# Altium PCB S3220B.PcbDoc (part 2 of 3) (continued)
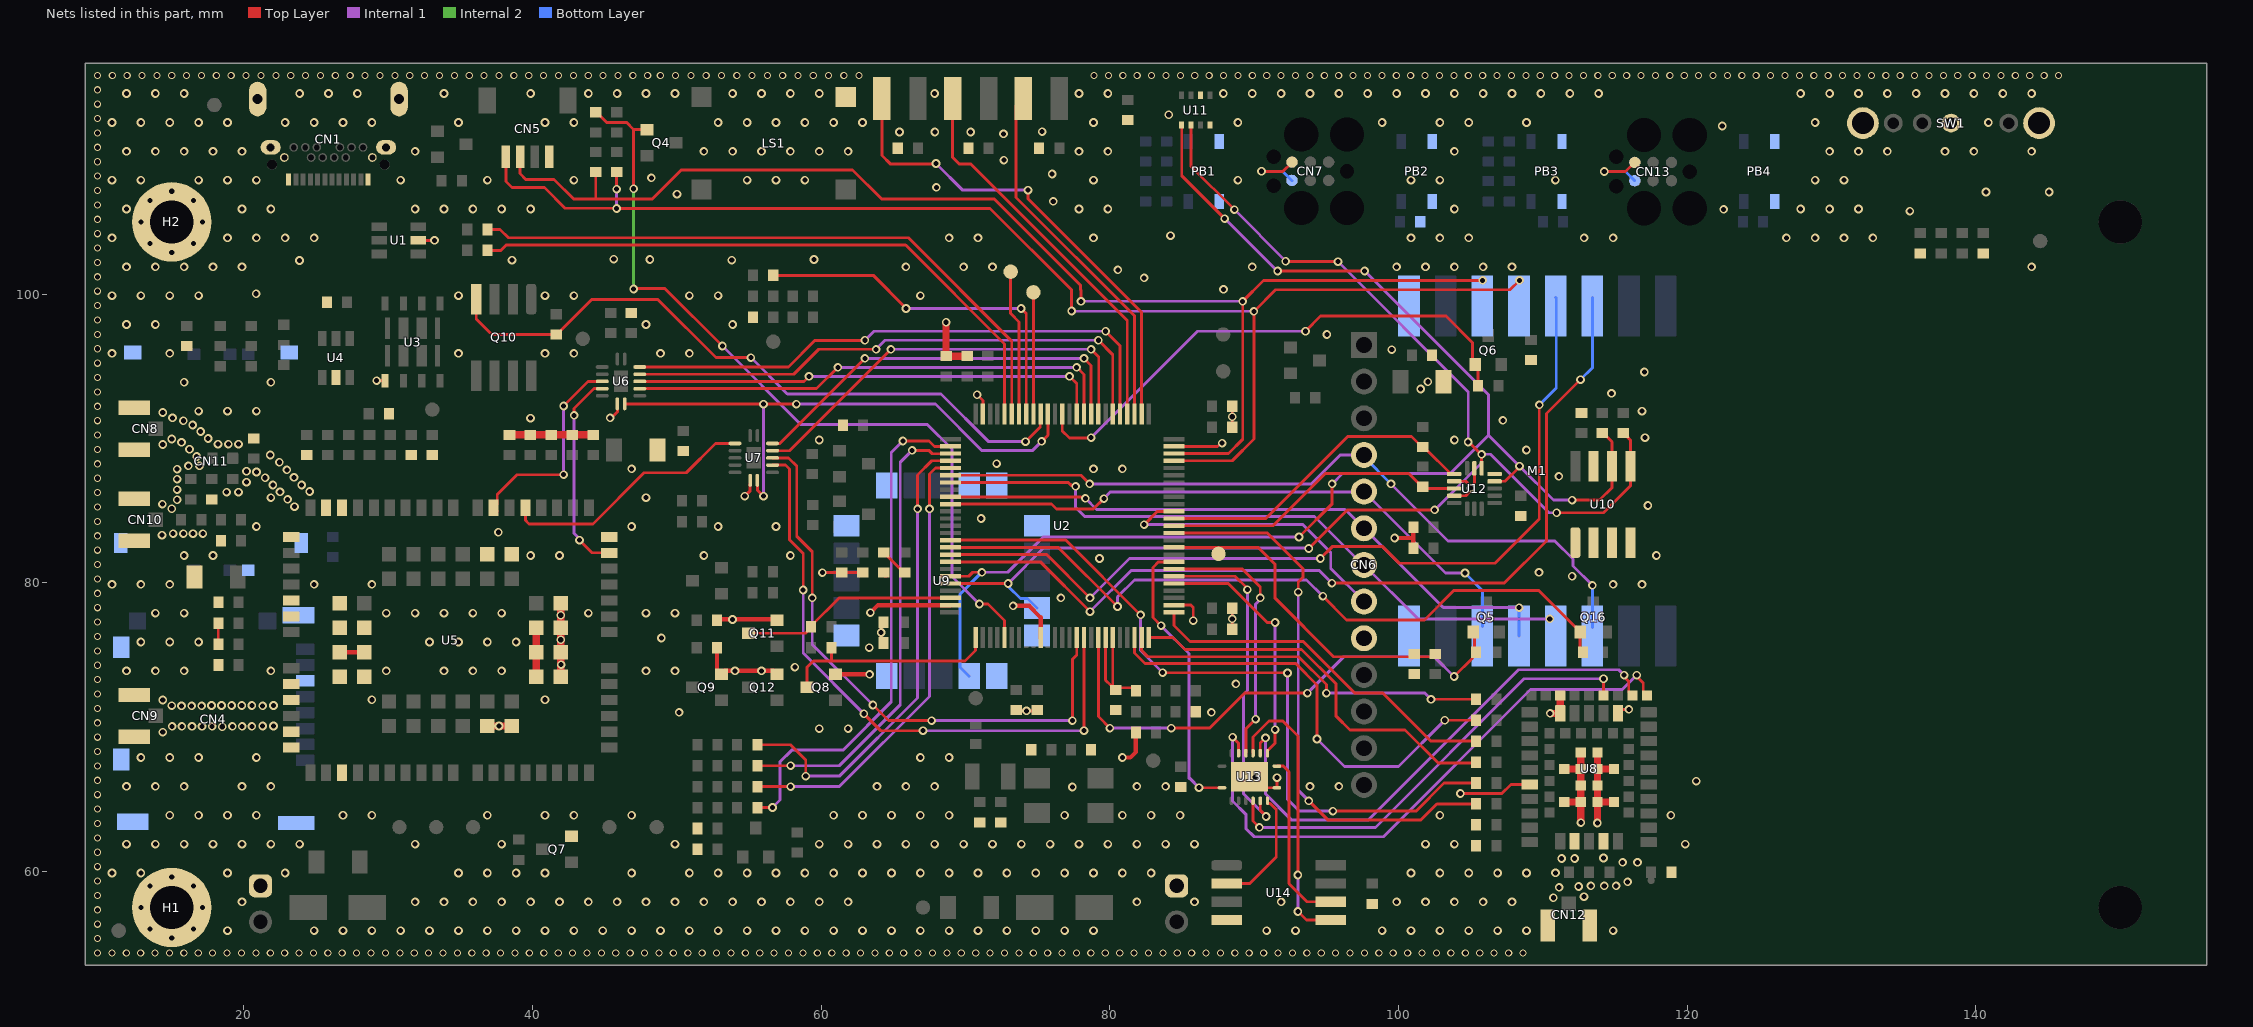
[diagram p4: the nets of this part, all layers, seen from the top]
## Nets (pads, with @x,y where several pads share a name; then routed paths per layer and width w, separated by ;. In a path a pad name is that pad's centre, name@x,y a point inside that pad or via, vN(x,y) a via of type N, cw(c..) or ccw(c..) an arc to the next point about the centre after c; other vN are vias at no path point) (continued)
  Top Layer w0.2: U7.10@56.627,88.149 57.526,88.149 57.8,87.875 57.8,82.975 58.75,82.025 v1(58.75,79.5) ; v1(62.95,70.925) 64.125,69.75 v1(67.05,69.75) ; v1(78.2,69.75) 78.2,71.025 U2.16@78.2,76.212
  Internal 1 w0.2: v1(58.75,79.5) 58.75,75.125 v1(62.95,70.925) ; v1(67.05,69.75) v1(78.2,69.75)
CPU_TXD_MODEM: U2.55 U6.13 | length 39.5
  Top Layer w0.2: U6.13@47.425,94.95 57.725,94.95 59.552,96.777 63.002,96.777 v1(63.025,96.8) ; v1(79.7,97.425) 80.7,96.425 U2.55@80.7,91.688
  Internal 1 w0.2: v1(63.025,96.8) 63.65,97.425 v1(79.7,97.425)
CPU_USB_DM: R30.2 U2.70 | length 44.6
  Top Layer w0.2: R30.2@36.875,104.475 37.75,104.475 38.325,103.9 66.037,103.9 73.2,96.737 U2.70@73.2,91.688
CPU_USB_DP: R31.2 U2.71 | length 43.7
  Top Layer w0.2: R31.2@36.875,103.025 37.8,103.025 38.175,103.4 65.85,103.4 72.7,96.55 U2.71@72.7,91.688
CPU_USB_ID: TP5.1 U2.69 | length 10.1
  Top Layer w0.2: TP5.1@73.125,101.55 73.125,98.65 73.7,98.075 U2.69@73.7,91.688
CPU_USB_SOF: TP4.1 U2.67 | length 8.4
  Top Layer w0.2: U2.67@74.7,91.688 TP4.1@74.7,100.1
CPU_USB_VBUS: R29.2 U2.68 | length 25.6
  Top Layer w0.2: R29.2@56.675,101.3 63.6,101.3 65.875,99.025 v1(65.875,99) ; v1(73.85,99) 74.2,98.65 U2.68@74.2,91.688
  Internal 1 w0.2: v1(65.875,99) v1(73.85,99)
CTS_BG95: U5.36 U7.2 | length 17.8
  Top Layer w0.2: U5.36@39.5,85.2 39.5,84.325 39.75,84.075 44.175,84.075 47.725,87.625 50.65,87.625 52.675,89.65 U7.2@54.025,89.65
DCD_BG95: U5.38 U6.4 | length 14.7
  Top Layer w0.2: U5.38@37.55,84.95 U5.38@37.3,85.2 37.55,85.45 37.55,86.125 38.911,87.486 v1(42.15,87.486) ; v1(42.15,92.25) 43.849,93.949 U6.4@44.827,93.949
  Internal 1 w0.2: v1(42.15,87.486) v1(42.15,92.25)
DTR_BG95: U5.30 U6.5 | length 14.4
  Top Layer w0.2: v1(42.875,91.6) 42.875,92.075 44.249,93.449 U6.5@44.827,93.449 ; v1@43.119,83.081 44.125,82.075 U5.30@45.325,82.075
  Internal 1 w0.2: v1(42.875,91.6) 42.875,83.424 43.25,83.049 v1(43.25,82.95)
FLASH_MISO: U13.7 U14.2 | length 8.4
  Top Layer w0.2: U14.2@88.092,59.15 89.675,59.15 91.525,61 91.525,64.286 91.104,64.707 90.935,64.707 90.917,64.725 U13.7@90.917,64.894
FLASH_MISO_BLE: U8.50 U13.5 | length 31.3
  Top Layer w0.2: U13.5@89.917,64.894 89.917,63.483 v1(90.35,63.05) ; U8.50@114.2,72.175 v1(114.2,73.35)
  Internal 1 w0.2: v1(90.35,63.05) 98.4,63.05 108.7,73.35 v1(114.2,73.35)
FLASH_MISO_CPU: U2.31 U13.6 | length 23.3
  Top Layer w0.2: U2.31@84.438,80.45 88.675,80.45 89.525,79.6 v1(89.525,79.525) ; U13.6@90.417,64.894 90.417,64.241 90.825,63.833 v1(90.825,63.8)
  Internal 1 w0.2: v1(89.525,79.525) 89.525,72.533 89.25,72.258 89.25,65.375 v1(90.825,63.8)
FLASH_MOSI: U13.12 U14.5 | length 19.8
  Top Layer w0.2: U13.12@89.917,68.194 89.917,69.317 91.025,70.425 91.975,70.425 93.025,69.375 v1(93.025,59.75) ; v1(93.025,57.225) 93.625,56.625 U14.5@95.292,56.625
  Internal 1 w0.2: v1(93.025,57.225) v1(93.025,59.75)
FLASH_MOSI_BLE: U8.47 U13.14 | length 41.7
  Top Layer w0.2: v1(88.5,69.3) 88.917,68.883 U13.14@88.917,68.194 ; v1(116.5,73.6) 116.5,73.51 116.95,73.06 116.95,72.425 U8.47@117.2,72.175
  Internal 1 w0.2: v1(88.5,69.3) 88.5,64.875 89.417,63.958 89.417,62.983 90,62.4 98.95,62.4 109.15,72.6 115.5,72.6 v1(116.5,73.6)
FLASH_MOSI_CPU: U2.32 U13.13 | length 18.4
  Top Layer w0.2: U2.32@84.438,80.95 89.175,80.95 90.417,79.708 v1(90.417,78.95) ; U13.13@89.417,68.194 89.417,69.867 v1(90.1,70.55)
  Internal 1 w0.2: v1(90.1,70.55) 90.1,78.525 90.417,78.842 v1(90.417,78.95)
FLASH_SCK: U13.9 U14.6 | length 12.2
  Top Layer w0.2: U13.9@91.567,67.294 92.006,67.294 92.4,66.9 92.4,59.15 93.65,57.9 U14.6@95.292,57.9
FLASH_SCK_BLE: U8.48 U13.11 | length 36.8
  Top Layer w0.2: U13.11@90.417,68.194 90.417,68.892 v1(90.775,69.25) ; v1(115.625,73.6) 115.625,73.492 115.95,73.167 115.95,72.425 U8.48@116.2,72.175
  Internal 1 w0.2: v1(90.775,69.25) 90.775,65.375 92.6,63.55 97.875,63.55 108.3,73.975 115.25,73.975 v1(115.625,73.6)
FLASH_SCK_CPU: U2.30 U13.10 | length 17.4
  Top Layer w0.2: U2.30@84.438,79.95 88.2,79.95 90.9,77.25 v1(91.45,77.25) ; U13.10@90.917,68.194 90.93,68.207 90.93,68.387 91.45,68.907 v1(91.45,69.825)
  Internal 1 w0.2: v1(91.45,69.825) v1(91.45,77.25)
GND: C1.1 C2.1 C3.1 C4.1 C5.1 C6.1 C7.1 C8.1 C9.1 C10.1 C11.1 C13.1 C14.1 C15.1 C16.1 C17.1 C18.1 C19.1 C20.1 C21.1 C22.1 C23.1 C24.1 C25.1 C26.1 C27.1 C29.1 C30.1 C31.1 C32.1 C33.1 C34.2 C35.1 C36.1 C37.1 C38.1 C39.1 C40.1 C41.1 C42.2 C43.1 C44.1 C45.2 C46.2 C47.1 C48.1 C49.1 C50.1 C51.1 C52.1 C53.1 C54.1 C55.2 C56.1 C57.1 C58.2 C59.2 C60.2 C61.1 CN1.A1 CN1.A12 CN1.B1 CN1.B12 CN1.S1@30.752,113.515 CN1.S2@20.952,113.515 CN1.S3@29.852,110.165 CN1.S4@21.852,110.165 CN2.1 CN3.1 CN4.0 CN4.6 CN5.1 CN6.9 CN7.5 CN8.G CN9.G CN10.G CN11.0 CN11.C5 CN12.G CN13.5 D7.1 H1.0 H2.0 LS1.2 M1.1 M1.16 PB1.2 PB2.1 PB3.2 PB4.1 Q7.2 Q8.2 Q9.2 Q11.2 Q12.2 R5.1 R6.1 R22.2 R23.2 R24.2 R35.1 R37.1 R63.2 SW1.0 SW1.2 U1.2 U2.10 U2.27 U2.49 U2.74 U2.99 U3.C5 U4.2 U5.3 U5.31 U5.47 U5.48 U5.50 U5.54 U5.55 U5.58 U5.59 U5.61 U5.62 U5.67 U5.68 U5.69 U5.70 U5.71 U5.72 U5.73 U5.74 U5.79 U5.80 U5.81 U5.82 U5.89 U5.90 U5.91 U5.100 U5.101 U5.102 U6.7 U7.7 U8.6 U8.12 U8.14 U8.26 U8.30 U8.53 U8.56 U8.57 U8.58 U8.59 U8.60 U8.61 U8.62 U8.63 U8.64 U8.65 U8.66 U8.67 U9.1 U9.4 U9.5 U9.6 U9.10 U9.11 U9.15 U9.16 U9.20 U10.1 U10.2 U10.3 U10.4 U10.7 U11.1 U11.7 U12.5 U12.7 U12.10 U12.12 U13.8 U13.17 U14.4 | length 110.5
  Top Layer w0.2: C35.1@18.192,75.783 C35.1@18.225,75.75 C34.2@18.225,77.2 ; v1(29.2,94) U3.C5@29.78,94 ; U1.2@32.075,103.725 v1(33.2,103.725) ; v1(45.375,91.425) 45.45,91.425 45.875,91.85 U6.7@45.875,92.4 ; v1(54.7,86) 55.075,86.375 U7.7@55.075,86.85 ; v1(60.075,80.7) C51.1@61.425,80.7 C50.1@62.875,80.7 ; C22.1@64.325,75.825 64.15,76 64.15,77.1 C21.1@64.325,77.275 ; R37.1@64.325,80.7 64.55,80.475 R37.1@64.4,80.458 ; v1(70.8,93.025) 71.2,92.625 U2.74@71.2,91.688 ; C13.1@73.5,71.125 74.175,71.125 74.225,71.175 74.275,71.125 74.9,71.125 C14.1@74.95,71.175 ; U2.27@84.438,78.45 85.6,78.45 85.775,78.275 v1(85.775,77.375) ; U2.49@84.438,89.45 87.458,89.45 87.683,89.675 v1(87.775,89.675) ; C15.1@88.475,76.775 C16.1@88.475,78.225 ; C17.1@88.475,90.775 C18.1@88.475,92.225 ; U13.17@89.675,66.55 90.431,65.794 U13.8@91.567,65.794 91.571,65.798 91.571,66.496 v1(91.575,66.5) ; v1@90.5,108.49 91.98,108.49 CN7.5@92.615,109.125 ; U12.12@103.85,86.03 104.65,86.03 104.923,86.303 104.923,86.473 v1(105,86.55) ; U12.10@103.85,87.03 104.65,87.03 104.923,86.757 104.923,86.627 v1(105,86.55) ; v1@104.25,65.4 107.154,65.4 107.779,66.025 U8.6@109.075,66.025 ; U12.7@105.25,87.93 105.25,86.908 105,86.658 v1(105,86.55) ; v1(114.25,108.49) 115.73,108.49 CN13.5@116.365,109.125 ; U8.26@115.45,70.55 115.2,70.8 U8.26@115.2,70.95 115.2,70.975 115.45,71.225 v1(115.95,71.225)
  Top Layer w0.3: U5.81@26.65,75.175 U5.101@28.35,75.175 ; C47.1@52.775,75.5 52.775,73.925 53.025,73.675 Q9.2@53.075,73.675 53.3,73.9 56.7,73.9 Q12.2@56.95,73.65 ; R63.2@52.775,77.4 52.85,77.475 56.875,77.475 Q11.2@56.95,77.4 ; Q8.2@61,73.65 v1(63.35,73.65) ; v1(63.4,77.925) 63.411,77.925 63.936,78.45 U2.99@68.962,78.45 ; v1(73.3,78.4) 74.4,78.4 75.2,77.6 U2.10@75.2,76.212 ; v1(80.862,67.892) 81.417,67.892 81.8,68.275 C24.1@81.8,69.625 ; v1(99.725,83.1) 101,83.1 101.025,83.125 ; C58.2@101.025,82.375 101.025,83.125 ; C57.1@101.025,83.85 101.025,83.125
  Top Layer w0.5: U5.67@36.85,70.075 U5.68@38.55,70.075 ; C48.1@38.65,90.35 38.5,90.35 C48.1@38.4,90.25 C41.1@44.2,90.25 ; U5.89@40.25,73.475 U5.90@40.25,75.175 U5.91@40.25,76.875 ; U5.69@41.95,73.475 U5.70@41.95,75.175 U5.71@41.95,76.875 U5.72@41.95,78.575 ; v1@68.65,97.968 C19.1@68.65,95.7 C20.1@70.1,95.7 ; v1(110.5,70.95) U8.30@111.2,70.95 U8.53@111.2,72.175 ; U8.67@111.475,64.8 U8.65@112.625,64.8 ; U8.66@111.475,67.1 U8.63@112.625,67.1 ; v1@112.625,63.35 U8.65@112.625,64.8 ; U8.62@112.625,68.25 U8.63@112.625,67.1 ; v1(113.775,63.35) U8.61@113.775,64.8 ; U8.58@113.775,68.25 U8.59@113.775,67.1 ; U8.57@114.925,64.8 U8.61@113.775,64.8 ; U8.56@114.925,67.1 U8.59@113.775,67.1 ; U8.65@112.625,64.8 U8.64@112.625,65.95 U8.63@112.625,67.1 ; U8.61@113.775,64.8 U8.60@113.775,65.95 U8.59@113.775,67.1
  Bottom Layer w0.2: v1@90.5,108.49 91.98,108.49 CN7.5@92.615,107.855 ; v1(114.25,108.49) 115.73,108.49 CN13.5@116.365,107.855
  other v1: 18.862,55.892 24.862,55.892 26.862,55.892 28.862,55.892 30.862,55.892 32.862,55.892 34.862,55.892 36.862,55.892 38.862,55.892 40.862,55.892 42.862,55.892 44.862,55.892 46.862,55.892 48.862,55.892 50.862,55.892 52.862,55.892 54.862,55.892 56.862,55.892 58.862,55.892 60.862,55.892 62.862,55.892 64.862,55.892 66.862,55.892 68.862,55.892 70.862,55.892 72.862,55.892 74.862,55.892 76.862,55.892 78.862,55.892 90.862,55.892 92.862,55.892 98.862,55.892 100.862,55.892 102.862,55.892 104.862,55.892 106.862,55.892 108.862,55.892 114.862,55.892 19.862,57.892 31.862,57.892 33.862,57.892 35.862,57.892 37.862,57.892 39.862,57.892 41.862,57.892 43.862,57.892 45.862,57.892 47.862,57.892 49.862,57.892 51.862,57.892 53.862,57.892 55.862,57.892 57.862,57.892 59.862,57.892 61.862,57.892 81.862,57.892 85.862,57.892 91.862,57.892 99.862,57.892 101.862,57.892 103.862,57.892 105.862,57.892 107.862,57.892 110.725,58.175 112.85,58.25 111.125,58.9 112.475,58.95 113.325,59 114.25,59 115.075,59 115.875,59.275 10.862,59.892 12.862,59.892 18.862,59.892 22.862,59.892 34.862,59.892 36.862,59.892 38.862,59.892 40.862,59.892 46.862,59.892 50.862,59.892 52.862,59.892 54.862,59.892 56.862,59.892 58.862,59.892 60.862,59.892 62.862,59.892 64.862,59.892 66.862,59.892 68.862,59.892 70.862,59.892 72.862,59.892 74.862,59.892 76.862,59.892 78.862,59.892 80.862,59.892 82.862,59.892 100.862,59.892 102.862,59.892 104.862,59.892 106.862,59.892 108.862,59.892 110.875,59.9 115.525,60.625 116.55,60.625 111.3,60.9 112.2,60.9 114.2,60.925 11.862,61.892 13.862,61.892 15.862,61.892 17.862,61.892 19.862,61.892 21.862,61.892 23.862,61.892 31.862,61.892 37.862,61.892 49.862,61.892 59.862,61.892 61.862,61.892 63.862,61.892 65.862,61.892 67.862,61.892 69.862,61.892 71.862,61.892 73.862,61.892 75.862,61.892 77.862,61.892 79.862,61.892 81.862,61.892 83.862,61.892 85.862,61.892 101.862,61.892 103.862,61.892 119.862,61.892 112.625,63.375 14.862,63.892 16.862,63.892 18.862,63.892 20.862,63.892 26.862,63.892 28.862,63.892 36.862,63.892 40.862,63.892 42.862,63.892 46.862,63.892 60.862,63.892 62.862,63.892 64.862,63.892 66.862,63.892 68.862,63.892 76.862,63.892 80.862,63.892 82.862,63.892 84.862,63.892 102.862,63.892 118.862,63.892 104.275,65.4 77.4,65.85 11.862,65.892 13.862,65.892 15.862,65.892 19.862,65.892 21.862,65.892 63.862,65.892 65.862,65.892 67.862,65.892 81.862,65.892 83.862,65.892 93.862,65.892 95.862,65.892 120.625,66.25 90.05,66.55 12.862,67.892 14.862,67.892 16.862,67.892 20.862,67.892 66.862,67.892 68.862,67.892 14.375,69.65 59.862,69.892 61.862,69.892 18.5,70.025 15.025,70.05 15.7,70.05 16.4,70.05 17.1,70.05 17.8,70.05 19.2,70.05 19.875,70.05 20.55,70.05 21.3,70.075 22.05,70.075 37.675,70.075 50.15,71.025 87.025,71.025 74.225,71.125 15,71.487 15.675,71.475 16.375,71.475 17.075,71.475 17.75,71.5 18.45,71.5 19.15,71.5 19.85,71.5 20.55,71.5 21.3,71.475 22.05,71.5 14.375,71.875 28.862,71.892 40.862,71.892 88.725,73 11.862,73.892 13.862,73.892 15.862,73.892 21.862,73.892 29.862,73.892 33.862,73.892 35.862,73.892 37.862,73.892 47.862,73.892 49.862,73.892 54.025,73.9 55.862,73.892 58.175,74.15 41.975,74.325 63.325,75.5 12.862,75.892 14.862,75.892 16.862,75.892 32.862,75.892 34.862,75.892 36.862,75.892 38.862,75.892 41.95,76.05 48.925,76.175 64.15,76.55 53.85,77.45 88.475,77.5 41.95,77.75 13.862,77.892 15.862,77.892 29.862,77.892 31.862,77.892 33.862,77.892 35.862,77.892 37.862,77.892 43.862,77.892 47.862,77.892 49.862,77.892 76.6,78.95 10.862,79.892 12.862,79.892 14.862,79.892 24.862,79.892 28.862,79.892 114.862,79.892 116.862,79.892 112.025,80.45 109.725,80.725 79.275,81.675 15.862,81.892 17.862,81.892 39.862,81.892 41.862,81.892 51.862,81.892 57.862,81.892 117.862,81.892 14.325,83.3 15.1,83.4 15.8,83.4 16.475,83.4 17.15,83.4 37.625,83.5 20.862,83.892 46.862,83.892 52.862,83.892 56.862,83.892 71.075,84.45 15,85.127 23.5,85.275 117.275,85.35 14.35,85.45 15.375,85.75 23.025,85.775 21.862,85.892 47.862,85.892 18.8,86.275 19.625,86.275 22.5,86.3 24.55,86.325 15.375,86.45 22,86.775 24,86.775 20.175,86.975 15.375,87.175 21.475,87.275 23.475,87.3 111.1,87.375 20.875,87.675 20.175,87.725 22.975,87.825 15.375,87.875 46.862,87.892 78.862,87.892 80.862,87.892 16.15,88.1 16.925,88.1 72.15,88.25 22.45,88.35 16.725,88.75 21.825,88.85 108.85,89.2 16.225,89.25 14.375,89.575 18.2,89.6 18.925,89.6 19.625,89.6 15.675,89.725 59.862,89.892 103.862,89.892 15,89.959 17.525,90 117.075,90.05 17,90.475 16.45,90.925 15.8,91.225 107.225,91.25 39.85,91.4 15.05,91.425 88.475,91.5 14.375,91.8 16.862,91.892 18.862,91.892 20.862,91.892 116.862,91.892 114.75,93.125 101.525,93.425 15.862,93.892 21.862,93.892 102.025,93.925 117.025,94.6 10.862,95.892 14.862,95.892 34.862,95.892 40.862,95.892 42.862,95.892 48.862,95.892 50.862,95.892 99.525,96.15 95.025,97.2 11.862,97.892 13.862,97.892 47.862,97.892 53.862,97.892 68.65,98.05 10.862,99.892 12.862,99.892 14.862,99.892 16.862,99.892 34.862,99.892 40.862,99.892 42.862,99.892 50.862,99.892 52.862,99.892 66.862,99.892 20.85,100.025 87.875,100.325 82.375,101.125 80.55,101.675 11.862,101.892 13.862,101.892 15.862,101.892 17.862,101.892 19.862,101.892 65.862,101.892 69.862,101.892 71.862,101.892 89.862,101.892 99.862,101.892 101.862,101.892 103.862,101.892 105.862,101.892 107.862,101.892 143.862,101.892 23.85,102.325 38.575,102.35 53.8,102.35 48.125,102.4 59.5,102.4 45.625,102.425 10.862,103.892 18.862,103.892 20.862,103.892 22.862,103.892 24.862,103.892 68.862,103.892 70.862,103.892 78.862,103.892 100.862,103.892 102.862,103.892 104.862,103.892 112.862,103.892 114.862,103.892 126.862,103.892 128.862,103.892 130.862,103.892 132.862,103.892 84.2,104.05 135.425,105.75 122.525,105.875 11.862,105.892 19.862,105.892 21.862,105.892 31.862,105.892 33.862,105.892 35.862,105.892 37.862,105.892 39.862,105.892 77.862,105.892 79.862,105.892 103.862,105.892 127.862,105.892 129.862,105.892 131.862,105.892 76.075,106.425 50,106.925 140.7,107.075 145.075,107.075 67.975,107.4 10.862,107.892 12.862,107.892 16.862,107.892 18.862,107.892 20.862,107.892 30.862,107.892 36.862,107.892 42.862,107.892 54.862,107.892 56.862,107.892 58.862,107.892 78.862,107.892 88.862,107.892 100.862,107.892 102.862,107.892 110.862,107.892 128.862,107.892 130.862,107.892 48.225,108.05 76,108.325 90.5,108.51 72.65,109.275 11.862,109.892 13.862,109.892 15.862,109.892 17.862,109.892 19.862,109.892 31.862,109.892 51.862,109.892 53.862,109.892 55.862,109.892 57.862,109.892 59.862,109.892 61.862,109.892 77.862,109.892 79.862,109.892 103.862,109.892 129.862,109.892 131.862,109.892 133.862,109.892 137.862,109.892 139.862,109.892 143.862,109.892 72.625,111.1 65.425,111.225 67.875,111.225 70.35,111.225 75.3,111.25 122.425,111.65 10.862,111.892 12.862,111.892 14.862,111.892 16.862,111.892 18.862,111.892 22.862,111.892 24.862,111.892 26.862,111.892 28.862,111.892 34.862,111.892 40.862,111.892 42.862,111.892 52.862,111.892 54.862,111.892 56.862,111.892 58.862,111.892 60.862,111.892 62.862,111.892 78.862,111.892 88.862,111.892 98.862,111.892 102.862,111.892 104.862,111.892 108.862,111.892 128.862,111.892 140.862,111.892 84.075,112.425 11.862,113.892 13.862,113.892 15.862,113.892 23.862,113.892 25.862,113.892 27.862,113.892 33.862,113.892 39.862,113.892 43.862,113.892 45.862,113.892 47.862,113.892 49.862,113.892 53.862,113.892 55.862,113.892 57.862,113.892 59.862,113.892 67.862,113.892 77.862,113.892 79.862,113.892 87.862,113.892 89.862,113.892 91.862,113.892 93.862,113.892 95.862,113.892 97.862,113.892 99.862,113.892 101.862,113.892 103.862,113.892 105.862,113.892 107.862,113.892 109.862,113.892 111.862,113.892 113.862,113.892 127.862,113.892 129.862,113.892 131.862,113.892 133.862,113.892 135.862,113.892 137.862,113.892 139.862,113.892 141.862,113.892 143.862,113.892
  other v2: 9.85,54.35 10.855,54.35 11.851,54.35 12.848,54.35 13.845,54.35 14.841,54.35 15.838,54.35 16.835,54.35 17.832,54.35 18.828,54.35 19.825,54.35 20.83,54.35 21.826,54.35 22.823,54.35 23.82,54.35 24.816,54.35 25.813,54.35 26.81,54.35 27.807,54.35 28.803,54.35 29.8,54.35 30.805,54.35 31.801,54.35 32.798,54.35 33.795,54.35 34.791,54.35 35.788,54.35 36.785,54.35 37.782,54.35 38.778,54.35 39.775,54.35 40.78,54.35 41.776,54.35 42.773,54.35 43.77,54.35 44.766,54.35 45.763,54.35 46.76,54.35 47.757,54.35 48.753,54.35 49.75,54.35 50.755,54.35 51.751,54.35 52.748,54.35 53.745,54.35 54.741,54.35 55.738,54.35 56.735,54.35 57.732,54.35 58.728,54.35 59.725,54.35 60.73,54.35 61.726,54.35 62.723,54.35 63.72,54.35 64.716,54.35 65.713,54.35 66.71,54.35 67.707,54.35 68.703,54.35 69.7,54.35 70.705,54.35 71.701,54.35 72.698,54.35 73.695,54.35 74.691,54.35 75.688,54.35 76.685,54.35 77.682,54.35 78.678,54.35 79.675,54.35 80.68,54.35 81.676,54.35 82.673,54.35 83.67,54.35 84.666,54.35 85.663,54.35 86.66,54.35 87.657,54.35 88.653,54.35 89.65,54.35 90.655,54.35 91.651,54.35 92.648,54.35 93.645,54.35 94.641,54.35 95.638,54.35 96.635,54.35 97.632,54.35 98.628,54.35 99.625,54.35 100.63,54.35 101.626,54.35 102.623,54.35 103.62,54.35 104.626,54.35 105.623,54.35 106.62,54.35 107.626,54.35 108.623,54.35 9.85,55.347 9.85,56.343 9.85,57.34 9.85,58.337 9.85,59.334 9.85,60.33 9.85,61.327 9.85,62.324 9.85,63.32 9.85,64.317 9.85,65.314 9.85,66.311 9.85,67.307 9.85,68.304 9.85,69.301 9.85,70.298 9.85,71.294 9.85,72.291 9.85,73.288 9.85,74.284 9.85,75.281 9.85,76.278 9.85,77.275 9.85,78.271 9.85,79.268 9.85,80.265 9.85,81.261 9.85,82.258 9.85,83.255 9.85,84.252 9.85,85.248 9.85,86.245 9.85,87.242 9.85,88.238 9.85,89.235 9.85,90.232 9.85,91.229 9.85,92.225 9.85,93.222 9.85,94.219 9.85,95.215 9.85,96.212 9.85,97.209 9.85,98.206 9.85,99.202 9.85,100.199 9.85,101.196 9.85,102.193 9.85,103.189 9.85,104.186 9.85,105.183 9.85,106.179 9.85,107.176 9.85,108.173 9.85,109.17 9.85,110.166 9.85,111.163 9.85,112.16 9.85,113.156 9.85,114.153 9.85,115.15 10.88,115.15 11.91,115.15 12.94,115.15 13.97,115.15 15,115.15 16.03,115.15 17.06,115.15 18.09,115.15 19.12,115.15 20.15,115.15 21.185,115.15 22.215,115.15 23.245,115.15 24.275,115.15 25.305,115.15 26.335,115.15 27.365,115.15 28.395,115.15 29.425,115.15 30.46,115.15 31.49,115.15 32.52,115.15 33.55,115.15 34.58,115.15 35.61,115.15 36.64,115.15 37.67,115.15 38.7,115.15 39.735,115.15 40.765,115.15 41.795,115.15 42.825,115.15 43.855,115.15 44.885,115.15 45.915,115.15 46.945,115.15 47.975,115.15 48.85,115.15 49.91,115.15 50.969,115.15 52.029,115.15 53.088,115.15 54.148,115.15 55.208,115.15 56.267,115.15 57.327,115.15 58.387,115.15 59.446,115.15 60.506,115.15 61.565,115.15 62.625,115.15 78.896,115.15 79.894,115.15 80.891,115.15 81.888,115.15 82.886,115.15 83.883,115.15 84.881,115.15 85.878,115.15 86.876,115.15 87.873,115.15 88.871,115.15 89.868,115.15 90.865,115.15 91.863,115.15 92.86,115.15 93.858,115.15 94.855,115.15 95.853,115.15 96.85,115.15 97.848,115.15 98.845,115.15 99.842,115.15 100.84,115.15 101.837,115.15 102.835,115.15 103.832,115.15 104.83,115.15 105.827,115.15 106.825,115.15 107.822,115.15 108.819,115.15 109.817,115.15 110.814,115.15 111.812,115.15 112.809,115.15 113.807,115.15 114.804,115.15 115.802,115.15 116.799,115.15 117.796,115.15 118.794,115.15 119.791,115.15 120.789,115.15 121.786,115.15 122.784,115.15 123.781,115.15 124.779,115.15 125.776,115.15 126.773,115.15 127.771,115.15 128.768,115.15 129.766,115.15 130.763,115.15 131.761,115.15 132.758,115.15 133.756,115.15 134.753,115.15 135.75,115.15 136.748,115.15 137.745,115.15 138.743,115.15 139.74,115.15 140.738,115.15 141.735,115.15 142.733,115.15 143.73,115.15 144.727,115.15 145.725,115.15
I2C1_SCL: R80.1 U2.95 U9.12 U10.6 U11.4 U12.4 | length 101.2
  Top Layer w0.2: U2.95@68.962,80.45 70.225,80.45 70.5,80.725 v1(71.125,80.725) v1@71.15,80.75 ; U11.4@84.975,111.725 84.975,108.2 v1(87.95,105.225) ; v1@91.65,101.575 91.675,101.6 v1(97.65,101.6) ; v1(93.1,83.175) 95.4,85.475 v1(95.4,86.85) ; U12.4@106.65,87.03 107.38,87.03 108.375,88.025 v1(108.375,88.075) ; v1(112.025,85.725) 113.925,85.725 114.785,86.585 U10.6@114.785,88.075 114.785,89.765 114.175,90.375 R80.1@114.125,90.375
  Internal 1 w0.2: v1(71.125,80.725) 72.925,80.725 75.375,83.175 v1(93.1,83.175) ; v1@87.975,105.225 v1@91.6,101.6 ; v1(95.4,86.85) 96.125,87.575 103.575,87.575 106.225,90.225 ; v1(97.65,101.6) 106.225,93.025 106.225,90.225 ; v1(112.025,85.725) 110.725,85.725 v1(108.375,88.075) 106.225,90.225
  Bottom Layer w0.2: U9.12@70.25,73.5 69.625,74.125 69.625,79.225 v1(71.125,80.725) ; v1(87.95,105.225) v1@87.975,105.225 ; v1@91.6,101.6 v1(91.625,101.6) v1@91.65,101.575
I2C1_SDA: R81.1 U2.96 U9.9 U10.5 U11.3 U12.6 | length 94.6
  Top Layer w0.2: U2.96@68.962,79.95 v1(72.95,79.95) ; U11.3@85.625,111.725 85.625,108.85 v1(88.625,105.85) ; v1(92.175,102.275) 92.187,102.263 95.787,102.263 v1(95.8,102.25) ; v1(93.775,82.375) 96.45,85.05 v1(102.5,85.05) ; v1(104.825,89.75) 104.863,89.75 105.713,88.9 v1(105.751,88.9) ; U12.6@105.75,87.93 v1(105.751,88.9) ; v1(110.95,84.85) 114.2,84.85 116.055,86.705 U10.5@116.055,88.075 116.055,89.895 115.875,90.075 115.875,90.125 115.625,90.375 R81.1@115.575,90.375 ; R81.1@115.65,90.45 R81.1@115.7,90.45
  Internal 1 w0.2: v1(72.95,79.95) 75.4,82.4 v1@93.75,82.4 ; v1(88.625,105.85) v1@92.175,102.3 ; v1(95.8,102.25) 104.825,93.225 v1(104.825,89.75) ; v1(102.5,85.05) 105.75,88.3 105.75,88.899 v1(105.751,88.9) 106.375,88.9 110.425,84.85 v1(110.95,84.85)
  Bottom Layer w0.2: v1(72.95,79.95) 73.027,79.873 73.027,79.673 73.8,78.9 74.3,78.9 U9.9@74.95,78.25
I2C2_SCL: CN5.4 M1.4 R16.1 U2.47 | length 94.9
  Top Layer w0.2: CN5.4@38.15,109.525 38.15,107.8 38.575,107.375 40.825,107.375 42.25,105.95 v1@45.825,105.95 ; v1(45.825,105.925) 71.7,105.925 77.35,100.275 v1(77.35,98.825) ; v1(45.825,107.275) R16.1@45.825,108.45 ; U2.47@84.438,88.45 88.475,88.45 89.975,89.95 v1(89.975,98.8) 91.475,100.3 107.725,100.3 v1(108.375,100.95)
  Internal 1 w0.2: v1(45.825,105.925) v1(45.825,107.275) ; v1(77.35,98.825) 77.362,98.812 v1@89.938,98.812
I2C2_SDA: CN5.3 M1.3 R15.1 U2.48 | length 90.9
  Top Layer w0.2: CN5.3@39.125,109.475 39.125,108.35 39.525,107.95 41.475,107.95 42.825,106.6 44.375,106.6 48.3,106.6 50.3,108.6 62.175,108.6 64.175,106.6 71.975,106.6 77.975,100.6 77.975,100.275 ; 44.375,106.625 R15.1@44.375,108.45 ; v1(78,99.5) 78,100.275 ; U2.48@84.438,88.95 88.208,88.95 89.2,89.942 v1(89.2,99.5) 90.65,100.95 v1(105.825,100.95)
  Internal 1 w0.2: v1(78,99.5) v1@89.175,99.5
LED_1: D5.1 U2.52 | length 33.9
  Top Layer w0.2: D5.1@64.2,113.55 64.2,109.6 64.775,109.025 67.925,109.025 v1(67.95,109.05) ; v1(74.325,107.2) 74.325,106.6 82.2,98.725 U2.52@82.2,91.613
  Internal 1 w0.2: v1(67.95,109.05) 69.8,107.2 v1(74.325,107.2)
LED_2: D4.1 U2.53 | length 25.5
  Top Layer w0.2: D4.1@74,113.55 73.5,113.05 73.5,106.7 81.7,98.5 81.7,98.225 81.7,97.975 U2.53@81.7,91.688
LED_3: D3.1 U2.54 | length 27.4
  Top Layer w0.2: D3.1@69.1,113.55 69.1,109.475 69.55,109.025 70.35,109.025 81.2,98.175 81.2,97.875 81.2,97.825 U2.54@81.2,91.688 U2.54@81.2,91.638
M1_VCC_PWR_CTRL: Q6.1 R40.2 U2.63 | length 36.9
  Top Layer w0.2: U2.63@76.7,91.688 76.7,90.525 77.2,90.025 v1@78.7,90.025 ; v1(93.55,97.425) 94.6,98.475 103.275,98.475 105.125,96.625 105.125,95.31 Q6.1@105.31,95.125 ; R40.2@105.51,93.65 Q6.1@105.51,94.925
  Internal 1 w0.2: v1(78.7,90.05) 86.075,97.425 v1(93.55,97.425)
M1_VDD_PWR_CTRL: Q5.1 R39.1 U2.18 | length 36.9
  Top Layer w0.2: U2.18@79.2,76.212 79.2,70.725 v1(80,69.925) ; v1(84.25,69.925) 86.9,69.925 89.325,72.35 v1(93.675,72.35) ; v1(103.85,73.5) 105.125,74.775 105.125,74.95 R39.1@105.375,75.2 105.25,75.325 105.25,76.525 Q5.1@105.175,76.6
  Internal 1 w0.2: v1(80,69.925) v1(84.25,69.925) ; v1(93.675,72.35) 96.2,74.875 102.475,74.875 v1(103.85,73.5)
MODEM_LVL_SHF_EN: U2.65 U6.8 U7.8 | length 40.2
  Top Layer w0.2: U6.8@46.375,92.4 U6.8@46.375,92.4 46.398,92.375 v1(58.275,92.375) ; U7.8@55.575,87.1 55.585,87.09 55.585,86.73 55.591,86.723 55.591,86.409 v1(56,86) ; v1(75.275,89.8) 75.7,90.225 U2.65@75.7,91.688
  Internal 1 w0.2: v1(56,86) v1(56,92.375) ; v1(58.275,92.375) 67.913,92.375 71.138,89.15 74.625,89.15 v1(75.275,89.8)
MODEM_PSM_IND: Q11.3 R62.2 U2.98 | length 14.8
  Top Layer w0.2: Q11.3@54.9,76.5 Q11.3@54.95,76.5 ; Q11.3@55.25,76.5 58.9,76.5 59.3,76.9 R62.2@59.3,76.95 59.3,77 61.25,78.95 U2.98@68.962,78.95
MODEM_STATUS: Q8.3 R58.2 U2.1 | length 15.4
  Top Layer w0.2: Q8.3@59,72.75 59,74.125 59.45,74.575 60.725,74.575 ; R58.2@60.7,75.5 60.7,74.6 60.725,74.575 ; U2.1@70.7,76.212 70.688,76.2 70.688,75.313 69.95,74.575 60.725,74.575
MODEM_VDD_PWR_CTRL: Q10.4 R60.1 U2.66 | length 47.3
  Top Layer w0.2: Q10.4@36.095,99.65 36.095,98.28 37.175,97.2 R60.1@41.625,97.2 41.675,97.2 44.1,99.625 48.675,99.625 52.7,95.6 v1(55.125,95.6) ; v1(74.15,89.775) 75.176,90.801 75.176,91.664 U2.66@75.2,91.688
  Internal 1 w0.2: v1(55.125,95.6) 57.65,93.075 68.3,93.075 71.6,89.775 v1(74.15,89.775)
MUX_SEL: U2.33 U13.1 | length 19.8
  Top Layer w0.2: v1(83.55,77.025) 82.975,77.6 82.975,81.05 83.375,81.45 U2.33@84.438,81.45 ; v1@86.175,65.794 U13.1@87.767,65.794
  Internal 1 w0.2: v1(83.55,77.025) 85.475,75.1 85.475,66.45 ; 85.525,66.45 v1(86.175,65.8)
nACC_INT1: R82.2 U2.38 U12.11 | length 21.4
  Top Layer w0.2: U2.38@84.438,83.95 91.3,83.95 94.925,87.575 100.7,87.575 101.375,86.9 101.675,86.6 101.675,86.53 U12.11@103.85,86.53
nACC_INT2: R83.2 U2.39 U12.9 | length 22.6
  Top Layer w0.2: U2.39@84.438,84.45 90.8,84.45 96.475,90.125 100.9,90.125 101.625,89.4 R83.2@101.675,89.4 ; R83.2@101.875,89.15 102,89.15 103.45,87.7 103.45,87.58 103.5,87.53 U12.9@103.85,87.53
nBLE_PWR_CTRL: Q16.1 R74.1 U2.91 | length 51.2
  Top Layer w0.2: U2.91@68.962,82.45 76.425,82.45 v1(80.525,78.35) ; v1(94.75,79.075) 96.4,77.425 101.8,77.425 103.85,79.475 109.7,79.475 112.225,76.95 112.275,76.95 112.575,76.65 112.575,75.4 R74.1@112.775,75.2
  Internal 1 w0.2: v1(80.525,78.35) 80.525,79.025 81.7,80.2 93.625,80.2 v1(94.75,79.075)
nCPU_NSS_RFID: CN6.4 M1.11 U2.81 | length 52.6
  Top Layer w0.2: U2.81@68.962,87.45 78,87.45 v1(78.6,86.85)
  Internal 1 w0.2: v1(78.6,86.85) 93.95,86.85 95.955,88.855 CN6.4@97.6,88.855 ; v1(99.475,86.85) 103.425,82.9 110.825,82.9 112.087,81.638 112.087,81.166 113.425,79.828 v1(113.425,79.825)
  Bottom Layer w0.2: CN6.4@97.6,88.855 97.6,88.725 v1(99.475,86.85) ; M1.11@113.425,76.9 v1(113.425,79.825)
nCPU_NSS_SD: R20.1 U2.77 | length 35.7
  Top Layer w0.2: R20.1@55.575,64.425 v1(56.625,64.425) ; v1(65.65,89.825) 67.475,89.825 67.85,89.45 U2.77@68.962,89.45
  Internal 1 w0.2: v1(56.625,64.425) 57.15,64.95 57.15,67.6 57.95,68.4 61.5,68.4 64.85,71.75 64.85,89.025 v1(65.65,89.825)